# EAGLE board working (EAGLE 9.6.2), part 2 of 28
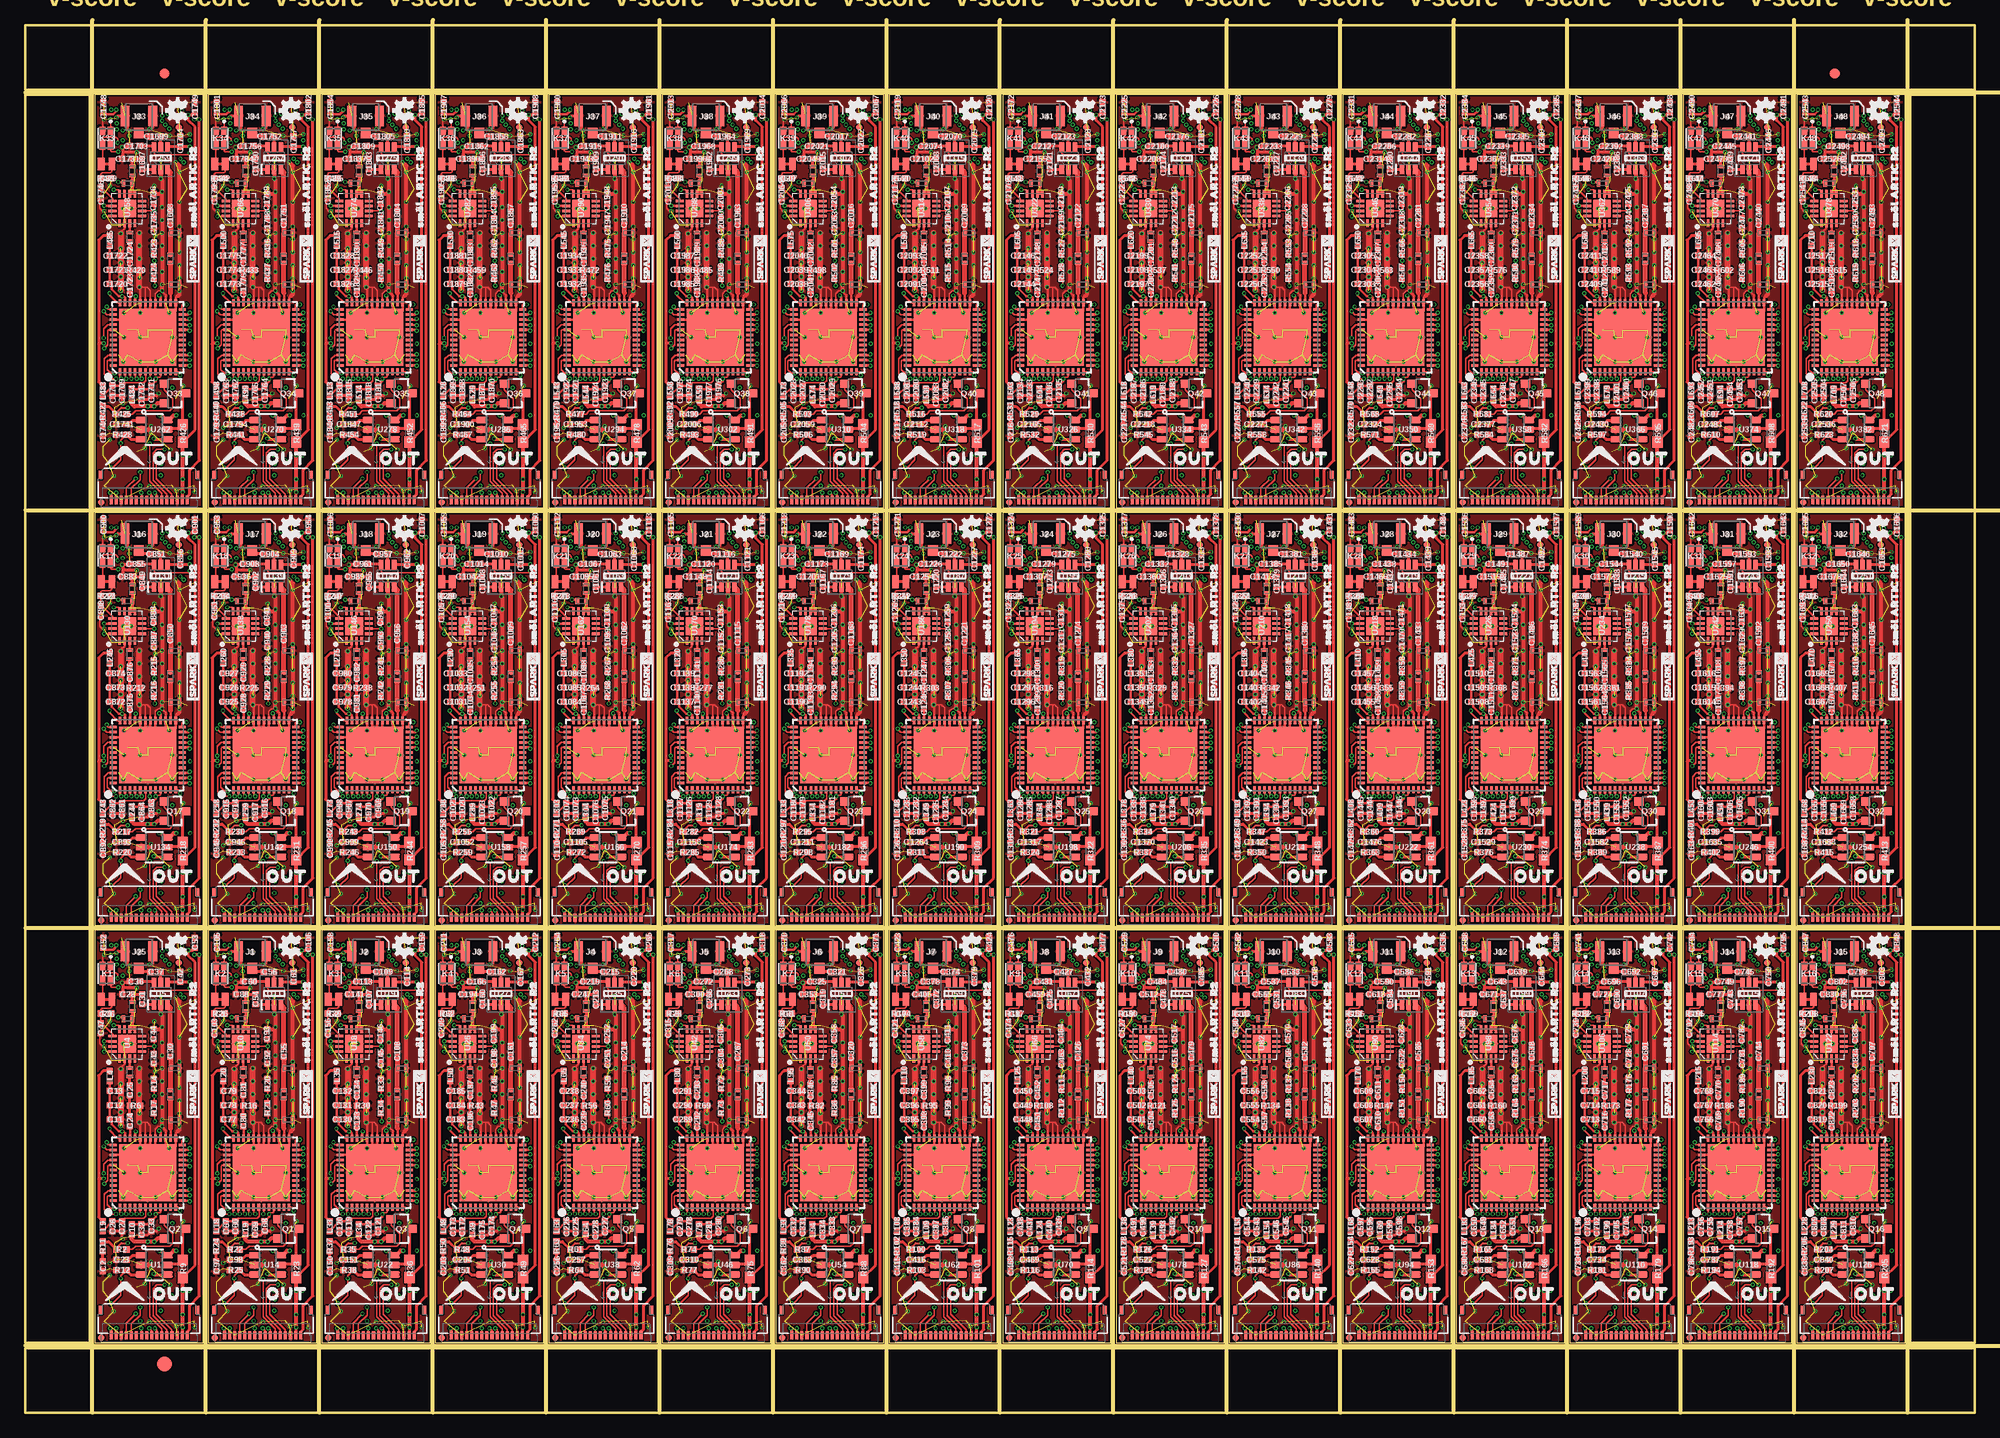
[diagram p0: board, top side]
## Placement (x,y rotation side) (continued)
C856  100pF  [0402-TIGHT]  15.24,84.07 90 top
C857  22pF  [0402-TIGHT]  15.94,69.15 90 bottom
C858  0.1uF  [0402-TIGHT]  14.22,69.53 90 bottom
C859  22pF  [0402-TIGHT]  13.59,65.98 270 bottom
C860  0.1uF  [0402-TIGHT]  14.54,65.98 270 bottom
C861  22pF  [0402-TIGHT]  9.52,59.5 270 top
C862  0.1uF  [0402-TIGHT]  8.57,59.5 270 top
C863  22pF  [0402-TIGHT]  12.38,59.5 270 top
C864  0.1uF  [0402-TIGHT]  11.43,59.18 270 top
C865  22pF  [0402-TIGHT]  10.41,68.01 180 bottom
C866  0.1uF  [0402-TIGHT]  8.32,68.45 0 bottom
C867  22pF  [0402-TIGHT]  9.14,63.56 270 bottom
C868  0.1uF  [0402-TIGHT]  10.1,63.56 270 bottom
C869  1.0uF  [0402-TIGHT]  12.06,65.98 270 bottom
C870  47nF  [0402-TIGHT]  11.11,65.98 270 bottom
C871  1.0nF  [0402-TIGHT]  7.68,66.13 90 bottom
C872  100pF  [0402-TIGHT]  8.83,70.04 0 top
C873  1.0uF  [0402-TIGHT]  8.83,71.44 0 top
C874  10uF  [0402-TIGHT]  8.83,72.83 0 top
C875  100pF  [0402-TIGHT]  10.29,69.85 90 top
C876  100pF  [0402-TIGHT]  10.29,72.9 90 top
C877  100pF  [0402-TIGHT]  8.25,81.15 180 bottom
C878  100pF  [0402-TIGHT]  8.57,76.33 90 bottom
C879  2.2uF  [0402-TIGHT]  9.52,76.33 90 bottom
C880  22pF  [0402-TIGHT]  10.35,78.74 90 bottom
C881  2.2uF  [0402-TIGHT]  11.3,78.74 90 bottom
C882  2.4 pF  [0402_MURATA]  14.29,72.52 90 top
C883  9.1pF  [0402-TIGHT]  10.03,82.36 0 top
C884  100pF  [0402-TIGHT]  10.29,80.2 180 bottom
C885  2.2uF  [0402-TIGHT]  10.29,81.15 180 bottom
C886  10uF  [0402-TIGHT]  10.29,82.11 180 bottom
C887  100pF  [0402-TIGHT]  12.64,76.01 90 top
C888  2.2uF  [0402-TIGHT]  12.64,78.42 90 top
C889  22pF  [0402-TIGHT]  14.99,63.56 270 bottom
C890  0.1uF  [0402-TIGHT]  14.03,63.56 270 bottom
C891  2.2uF  [0402-TIGHT]  16.13,50.16 180 bottom
C892  10nF  [0402-TIGHT]  7.62,55.56 270 top
C893  1.0uF  [0402-TIGHT]  9.46,56.2 180 top
C894  2.2uF  [0402-TIGHT]  8.19,53.09 0 bottom
C895  0.1uF  [0402-TIGHT]  9.91,55.75 90 bottom
C896  1.0uF  [0402-TIGHT]  16.89,81.34 90 bottom
C897  0.1uF  [0402-TIGHT]  15.24,58.74 0 bottom
C898  100pF  [0402-TIGHT]  7.43,78.99 90 top
C899  0.1uF  [0402-TIGHT]  10.48,53.53 180 bottom
C900  2.2uF  [0402-TIGHT]  7.68,87.44 90 top
C901  2.2uF  [0402-TIGHT]  16.7,87.44 90 top
C902  100pF  [0402-TIGHT]  22.67,81.85 90 top
C903  100pF  [0402-TIGHT]  25.46,76.71 270 top
C904  100pF  [0402-TIGHT]  24,84.58 0 top
C905  1.0uF  [0402-TIGHT]  19.43,57.85 180 bottom
C906  1.0uF  [0402-TIGHT]  19.37,54.04 0 bottom
C907  2.2uF  [0402-TIGHT]  19.43,50.16 0 bottom
C908  100pF  [0402-TIGHT]  21.97,83.63 180 top
C909  100pF  [0402-TIGHT]  26.42,84.07 90 top
C910  22pF  [0402-TIGHT]  27.11,69.15 90 bottom
C911  0.1uF  [0402-TIGHT]  25.4,69.53 90 bottom
C912  22pF  [0402-TIGHT]  24.77,65.98 270 bottom
C913  0.1uF  [0402-TIGHT]  25.72,65.98 270 bottom
C914  22pF  [0402-TIGHT]  20.7,59.5 270 top
C915  0.1uF  [0402-TIGHT]  19.75,59.5 270 top
C916  22pF  [0402-TIGHT]  23.56,59.5 270 top
C917  0.1uF  [0402-TIGHT]  22.61,59.18 270 top
C918  22pF  [0402-TIGHT]  21.59,68.01 180 bottom
C919  0.1uF  [0402-TIGHT]  19.49,68.45 0 bottom
C920  22pF  [0402-TIGHT]  20.32,63.56 270 bottom
C921  0.1uF  [0402-TIGHT]  21.27,63.56 270 bottom
C922  1.0uF  [0402-TIGHT]  23.24,65.98 270 bottom
C923  47nF  [0402-TIGHT]  22.29,65.98 270 bottom
C924  1.0nF  [0402-TIGHT]  18.86,66.13 90 bottom
C925  100pF  [0402-TIGHT]  20,70.04 0 top
C926  1.0uF  [0402-TIGHT]  20,71.44 0 top
C927  10uF  [0402-TIGHT]  20,72.83 0 top
C928  100pF  [0402-TIGHT]  21.46,69.85 90 top
C929  100pF  [0402-TIGHT]  21.46,72.9 90 top
C930  100pF  [0402-TIGHT]  19.43,81.15 180 bottom
C931  100pF  [0402-TIGHT]  19.75,76.33 90 bottom
C932  2.2uF  [0402-TIGHT]  20.7,76.33 90 bottom
C933  22pF  [0402-TIGHT]  21.53,78.74 90 bottom
C934  2.2uF  [0402-TIGHT]  22.48,78.74 90 bottom
C935  2.4 pF  [0402_MURATA]  25.46,72.52 90 top
C936  9.1pF  [0402-TIGHT]  21.21,82.36 0 top
C937  100pF  [0402-TIGHT]  21.46,80.2 180 bottom
C938  2.2uF  [0402-TIGHT]  21.46,81.15 180 bottom
C939  10uF  [0402-TIGHT]  21.46,82.11 180 bottom
C940  100pF  [0402-TIGHT]  23.81,76.01 90 top
C941  2.2uF  [0402-TIGHT]  23.81,78.42 90 top
C942  22pF  [0402-TIGHT]  26.16,63.56 270 bottom
C943  0.1uF  [0402-TIGHT]  25.21,63.56 270 bottom
C944  2.2uF  [0402-TIGHT]  27.3,50.16 180 bottom
C945  10nF  [0402-TIGHT]  18.8,55.56 270 top
C946  1.0uF  [0402-TIGHT]  20.64,56.2 180 top
C947  2.2uF  [0402-TIGHT]  19.37,53.09 0 bottom
C948  0.1uF  [0402-TIGHT]  21.08,55.75 90 bottom
C949  1.0uF  [0402-TIGHT]  28.07,81.34 90 bottom
C950  0.1uF  [0402-TIGHT]  26.42,58.74 0 bottom
C951  100pF  [0402-TIGHT]  18.61,78.99 90 top
C952  0.1uF  [0402-TIGHT]  21.65,53.53 180 bottom
C953  2.2uF  [0402-TIGHT]  18.86,87.44 90 top
C954  2.2uF  [0402-TIGHT]  27.88,87.44 90 top
C955  100pF  [0402-TIGHT]  33.85,81.85 90 top
C956  100pF  [0402-TIGHT]  36.64,76.71 270 top
C957  100pF  [0402-TIGHT]  35.18,84.58 0 top
C958  1.0uF  [0402-TIGHT]  30.61,57.85 180 bottom
C959  1.0uF  [0402-TIGHT]  30.54,54.04 0 bottom
C960  2.2uF  [0402-TIGHT]  30.61,50.16 0 bottom
C961  100pF  [0402-TIGHT]  33.15,83.63 180 top
C962  100pF  [0402-TIGHT]  37.59,84.07 90 top
C963  22pF  [0402-TIGHT]  38.29,69.15 90 bottom
C964  0.1uF  [0402-TIGHT]  36.58,69.53 90 bottom
C965  22pF  [0402-TIGHT]  35.94,65.98 270 bottom
C966  0.1uF  [0402-TIGHT]  36.89,65.98 270 bottom
C967  22pF  [0402-TIGHT]  31.88,59.5 270 top
C968  0.1uF  [0402-TIGHT]  30.92,59.5 270 top
C969  22pF  [0402-TIGHT]  34.73,59.5 270 top
C970  0.1uF  [0402-TIGHT]  33.78,59.18 270 top
C971  22pF  [0402-TIGHT]  32.77,68.01 180 bottom
C972  0.1uF  [0402-TIGHT]  30.67,68.45 0 bottom
C973  22pF  [0402-TIGHT]  31.5,63.56 270 bottom
C974  0.1uF  [0402-TIGHT]  32.45,63.56 270 bottom
C975  1.0uF  [0402-TIGHT]  34.42,65.98 270 bottom
C976  47nF  [0402-TIGHT]  33.46,65.98 270 bottom
C977  1.0nF  [0402-TIGHT]  30.04,66.13 90 bottom
C978  100pF  [0402-TIGHT]  31.18,70.04 0 top
C979  1.0uF  [0402-TIGHT]  31.18,71.44 0 top
C980  10uF  [0402-TIGHT]  31.18,72.83 0 top
C981  100pF  [0402-TIGHT]  32.64,69.85 90 top
C982  100pF  [0402-TIGHT]  32.64,72.9 90 top
C983  100pF  [0402-TIGHT]  30.61,81.15 180 bottom
C984  100pF  [0402-TIGHT]  30.92,76.33 90 bottom
C985  2.2uF  [0402-TIGHT]  31.88,76.33 90 bottom
C986  22pF  [0402-TIGHT]  32.7,78.74 90 bottom
C987  2.2uF  [0402-TIGHT]  33.66,78.74 90 bottom
C988  2.4 pF  [0402_MURATA]  36.64,72.52 90 top
C989  9.1pF  [0402-TIGHT]  32.38,82.36 0 top
C990  100pF  [0402-TIGHT]  32.64,80.2 180 bottom
C991  2.2uF  [0402-TIGHT]  32.64,81.15 180 bottom
C992  10uF  [0402-TIGHT]  32.64,82.11 180 bottom
C993  100pF  [0402-TIGHT]  34.99,76.01 90 top
C994  2.2uF  [0402-TIGHT]  34.99,78.42 90 top
C995  22pF  [0402-TIGHT]  37.34,63.56 270 bottom
C996  0.1uF  [0402-TIGHT]  36.39,63.56 270 bottom
C997  2.2uF  [0402-TIGHT]  38.48,50.16 180 bottom
C998  10nF  [0402-TIGHT]  29.97,55.56 270 top
C999  1.0uF  [0402-TIGHT]  31.81,56.2 180 top
C1000  2.2uF  [0402-TIGHT]  30.54,53.09 0 bottom
C1001  0.1uF  [0402-TIGHT]  32.26,55.75 90 bottom
C1002  1.0uF  [0402-TIGHT]  39.24,81.34 90 bottom
C1003  0.1uF  [0402-TIGHT]  37.59,58.74 0 bottom
C1004  100pF  [0402-TIGHT]  29.78,78.99 90 top
C1005  0.1uF  [0402-TIGHT]  32.83,53.53 180 bottom
C1006  2.2uF  [0402-TIGHT]  30.04,87.44 90 top
C1007  2.2uF  [0402-TIGHT]  39.05,87.44 90 top
C1008  100pF  [0402-TIGHT]  45.02,81.85 90 top
C1009  100pF  [0402-TIGHT]  47.82,76.71 270 top
C1010  100pF  [0402-TIGHT]  46.35,84.58 0 top
C1011  1.0uF  [0402-TIGHT]  41.78,57.85 180 bottom
C1012  1.0uF  [0402-TIGHT]  41.72,54.04 0 bottom
C1013  2.2uF  [0402-TIGHT]  41.78,50.16 0 bottom
C1014  100pF  [0402-TIGHT]  44.32,83.63 180 top
C1015  100pF  [0402-TIGHT]  48.77,84.07 90 top
C1016  22pF  [0402-TIGHT]  49.47,69.15 90 bottom
C1017  0.1uF  [0402-TIGHT]  47.75,69.53 90 bottom
C1018  22pF  [0402-TIGHT]  47.12,65.98 270 bottom
C1019  0.1uF  [0402-TIGHT]  48.07,65.98 270 bottom
C1020  22pF  [0402-TIGHT]  43.05,59.5 270 top
C1021  0.1uF  [0402-TIGHT]  42.1,59.5 270 top
C1022  22pF  [0402-TIGHT]  45.91,59.5 270 top
C1023  0.1uF  [0402-TIGHT]  44.96,59.18 270 top
C1024  22pF  [0402-TIGHT]  43.94,68.01 180 bottom
C1025  0.1uF  [0402-TIGHT]  41.85,68.45 0 bottom
C1026  22pF  [0402-TIGHT]  42.67,63.56 270 bottom
C1027  0.1uF  [0402-TIGHT]  43.62,63.56 270 bottom
C1028  1.0uF  [0402-TIGHT]  45.59,65.98 270 bottom
C1029  47nF  [0402-TIGHT]  44.64,65.98 270 bottom
C1030  1.0nF  [0402-TIGHT]  41.21,66.13 90 bottom
C1031  100pF  [0402-TIGHT]  42.35,70.04 0 top
C1032  1.0uF  [0402-TIGHT]  42.35,71.44 0 top
C1033  10uF  [0402-TIGHT]  42.35,72.83 0 top
C1034  100pF  [0402-TIGHT]  43.81,69.85 90 top
C1035  100pF  [0402-TIGHT]  43.81,72.9 90 top
C1036  100pF  [0402-TIGHT]  41.78,81.15 180 bottom
C1037  100pF  [0402-TIGHT]  42.1,76.33 90 bottom
C1038  2.2uF  [0402-TIGHT]  43.05,76.33 90 bottom
C1039  22pF  [0402-TIGHT]  43.88,78.74 90 bottom
C1040  2.2uF  [0402-TIGHT]  44.83,78.74 90 bottom
C1041  2.4 pF  [0402_MURATA]  47.82,72.52 90 top
C1042  9.1pF  [0402-TIGHT]  43.56,82.36 0 top
C1043  100pF  [0402-TIGHT]  43.81,80.2 180 bottom
C1044  2.2uF  [0402-TIGHT]  43.81,81.15 180 bottom
C1045  10uF  [0402-TIGHT]  43.81,82.11 180 bottom
C1046  100pF  [0402-TIGHT]  46.16,76.01 90 top
C1047  2.2uF  [0402-TIGHT]  46.16,78.42 90 top
C1048  22pF  [0402-TIGHT]  48.51,63.56 270 bottom
C1049  0.1uF  [0402-TIGHT]  47.56,63.56 270 bottom
C1050  2.2uF  [0402-TIGHT]  49.66,50.16 180 bottom
C1051  10nF  [0402-TIGHT]  41.15,55.56 270 top
C1052  1.0uF  [0402-TIGHT]  42.99,56.2 180 top
C1053  2.2uF  [0402-TIGHT]  41.72,53.09 0 bottom
C1054  0.1uF  [0402-TIGHT]  43.43,55.75 90 bottom
C1055  1.0uF  [0402-TIGHT]  50.42,81.34 90 bottom
C1056  0.1uF  [0402-TIGHT]  48.77,58.74 0 bottom
C1057  100pF  [0402-TIGHT]  40.96,78.99 90 top
C1058  0.1uF  [0402-TIGHT]  44.01,53.53 180 bottom
C1059  2.2uF  [0402-TIGHT]  41.21,87.44 90 top
C1060  2.2uF  [0402-TIGHT]  50.23,87.44 90 top
C1061  100pF  [0402-TIGHT]  56.2,81.85 90 top
C1062  100pF  [0402-TIGHT]  58.99,76.71 270 top
C1063  100pF  [0402-TIGHT]  57.53,84.58 0 top
C1064  1.0uF  [0402-TIGHT]  52.96,57.85 180 bottom
C1065  1.0uF  [0402-TIGHT]  52.9,54.04 0 bottom
C1066  2.2uF  [0402-TIGHT]  52.96,50.16 0 bottom
C1067  100pF  [0402-TIGHT]  55.5,83.63 180 top
C1068  100pF  [0402-TIGHT]  59.94,84.07 90 top
C1069  22pF  [0402-TIGHT]  60.64,69.15 90 bottom
C1070  0.1uF  [0402-TIGHT]  58.93,69.53 90 bottom
C1071  22pF  [0402-TIGHT]  58.29,65.98 270 bottom
C1072  0.1uF  [0402-TIGHT]  59.25,65.98 270 bottom
C1073  22pF  [0402-TIGHT]  54.23,59.5 270 top
C1074  0.1uF  [0402-TIGHT]  53.28,59.5 270 top
C1075  22pF  [0402-TIGHT]  57.09,59.5 270 top
C1076  0.1uF  [0402-TIGHT]  56.13,59.18 270 top
C1077  22pF  [0402-TIGHT]  55.12,68.01 180 bottom
C1078  0.1uF  [0402-TIGHT]  53.02,68.45 0 bottom
C1079  22pF  [0402-TIGHT]  53.85,63.56 270 bottom
C1080  0.1uF  [0402-TIGHT]  54.8,63.56 270 bottom
C1081  1.0uF  [0402-TIGHT]  56.77,65.98 270 bottom
C1082  47nF  [0402-TIGHT]  55.82,65.98 270 bottom
C1083  1.0nF  [0402-TIGHT]  52.39,66.13 90 bottom
C1084  100pF  [0402-TIGHT]  53.53,70.04 0 top
C1085  1.0uF  [0402-TIGHT]  53.53,71.44 0 top
C1086  10uF  [0402-TIGHT]  53.53,72.83 0 top
C1087  100pF  [0402-TIGHT]  54.99,69.85 90 top
C1088  100pF  [0402-TIGHT]  54.99,72.9 90 top
C1089  100pF  [0402-TIGHT]  52.96,81.15 180 bottom
C1090  100pF  [0402-TIGHT]  53.28,76.33 90 bottom
C1091  2.2uF  [0402-TIGHT]  54.23,76.33 90 bottom
C1092  22pF  [0402-TIGHT]  55.05,78.74 90 bottom
C1093  2.2uF  [0402-TIGHT]  56.01,78.74 90 bottom
C1094  2.4 pF  [0402_MURATA]  58.99,72.52 90 top
C1095  9.1pF  [0402-TIGHT]  54.74,82.36 0 top
C1096  100pF  [0402-TIGHT]  54.99,80.2 180 bottom
C1097  2.2uF  [0402-TIGHT]  54.99,81.15 180 bottom
C1098  10uF  [0402-TIGHT]  54.99,82.11 180 bottom
C1099  100pF  [0402-TIGHT]  57.34,76.01 90 top
C1100  2.2uF  [0402-TIGHT]  57.34,78.42 90 top
C1101  22pF  [0402-TIGHT]  59.69,63.56 270 bottom
C1102  0.1uF  [0402-TIGHT]  58.74,63.56 270 bottom
C1103  2.2uF  [0402-TIGHT]  60.83,50.16 180 bottom
C1104  10nF  [0402-TIGHT]  52.32,55.56 270 top
C1105  1.0uF  [0402-TIGHT]  54.17,56.2 180 top
C1106  2.2uF  [0402-TIGHT]  52.9,53.09 0 bottom
C1107  0.1uF  [0402-TIGHT]  54.61,55.75 90 bottom
C1108  1.0uF  [0402-TIGHT]  61.59,81.34 90 bottom
C1109  0.1uF  [0402-TIGHT]  59.94,58.74 0 bottom
C1110  100pF  [0402-TIGHT]  52.13,78.99 90 top
C1111  0.1uF  [0402-TIGHT]  55.18,53.53 180 bottom
C1112  2.2uF  [0402-TIGHT]  52.39,87.44 90 top
C1113  2.2uF  [0402-TIGHT]  61.4,87.44 90 top
C1114  100pF  [0402-TIGHT]  67.37,81.85 90 top
C1115  100pF  [0402-TIGHT]  70.17,76.71 270 top
C1116  100pF  [0402-TIGHT]  68.71,84.58 0 top
C1117  1.0uF  [0402-TIGHT]  64.14,57.85 180 bottom
C1118  1.0uF  [0402-TIGHT]  64.07,54.04 0 bottom
C1119  2.2uF  [0402-TIGHT]  64.14,50.16 0 bottom
C1120  100pF  [0402-TIGHT]  66.67,83.63 180 top
C1121  100pF  [0402-TIGHT]  71.12,84.07 90 top
C1122  22pF  [0402-TIGHT]  71.82,69.15 90 bottom
C1123  0.1uF  [0402-TIGHT]  70.1,69.53 90 bottom
C1124  22pF  [0402-TIGHT]  69.47,65.98 270 bottom
C1125  0.1uF  [0402-TIGHT]  70.42,65.98 270 bottom
C1126  22pF  [0402-TIGHT]  65.41,59.5 270 top
C1127  0.1uF  [0402-TIGHT]  64.45,59.5 270 top
C1128  22pF  [0402-TIGHT]  68.26,59.5 270 top
C1129  0.1uF  [0402-TIGHT]  67.31,59.18 270 top
C1130  22pF  [0402-TIGHT]  66.29,68.01 180 bottom
C1131  0.1uF  [0402-TIGHT]  64.2,68.45 0 bottom
C1132  22pF  [0402-TIGHT]  65.02,63.56 270 bottom
C1133  0.1uF  [0402-TIGHT]  65.98,63.56 270 bottom
C1134  1.0uF  [0402-TIGHT]  67.95,65.98 270 bottom
C1135  47nF  [0402-TIGHT]  66.99,65.98 270 bottom
C1136  1.0nF  [0402-TIGHT]  63.56,66.13 90 bottom
C1137  100pF  [0402-TIGHT]  64.71,70.04 0 top
C1138  1.0uF  [0402-TIGHT]  64.71,71.44 0 top
C1139  10uF  [0402-TIGHT]  64.71,72.83 0 top
C1140  100pF  [0402-TIGHT]  66.17,69.85 90 top
C1141  100pF  [0402-TIGHT]  66.17,72.9 90 top
C1142  100pF  [0402-TIGHT]  64.14,81.15 180 bottom
C1143  100pF  [0402-TIGHT]  64.45,76.33 90 bottom
C1144  2.2uF  [0402-TIGHT]  65.41,76.33 90 bottom
C1145  22pF  [0402-TIGHT]  66.23,78.74 90 bottom
C1146  2.2uF  [0402-TIGHT]  67.18,78.74 90 bottom
C1147  2.4 pF  [0402_MURATA]  70.17,72.52 90 top
C1148  9.1pF  [0402-TIGHT]  65.91,82.36 0 top
C1149  100pF  [0402-TIGHT]  66.17,80.2 180 bottom
C1150  2.2uF  [0402-TIGHT]  66.17,81.15 180 bottom
C1151  10uF  [0402-TIGHT]  66.17,82.11 180 bottom
C1152  100pF  [0402-TIGHT]  68.52,76.01 90 top
C1153  2.2uF  [0402-TIGHT]  68.52,78.42 90 top
C1154  22pF  [0402-TIGHT]  70.87,63.56 270 bottom
C1155  0.1uF  [0402-TIGHT]  69.91,63.56 270 bottom
C1156  2.2uF  [0402-TIGHT]  72.01,50.16 180 bottom
C1157  10nF  [0402-TIGHT]  63.5,55.56 270 top
C1158  1.0uF  [0402-TIGHT]  65.34,56.2 180 top
C1159  2.2uF  [0402-TIGHT]  64.07,53.09 0 bottom
C1160  0.1uF  [0402-TIGHT]  65.79,55.75 90 bottom
C1161  1.0uF  [0402-TIGHT]  72.77,81.34 90 bottom
C1162  0.1uF  [0402-TIGHT]  71.12,58.74 0 bottom
C1163  100pF  [0402-TIGHT]  63.31,78.99 90 top
C1164  0.1uF  [0402-TIGHT]  66.36,53.53 180 bottom
C1165  2.2uF  [0402-TIGHT]  63.56,87.44 90 top
C1166  2.2uF  [0402-TIGHT]  72.58,87.44 90 top
C1167  100pF  [0402-TIGHT]  78.55,81.85 90 top
C1168  100pF  [0402-TIGHT]  81.34,76.71 270 top
C1169  100pF  [0402-TIGHT]  79.88,84.58 0 top
C1170  1.0uF  [0402-TIGHT]  75.31,57.85 180 bottom
C1171  1.0uF  [0402-TIGHT]  75.25,54.04 0 bottom
C1172  2.2uF  [0402-TIGHT]  75.31,50.16 0 bottom
C1173  100pF  [0402-TIGHT]  77.85,83.63 180 top
C1174  100pF  [0402-TIGHT]  82.3,84.07 90 top
C1175  22pF  [0402-TIGHT]  82.99,69.15 90 bottom
C1176  0.1uF  [0402-TIGHT]  81.28,69.53 90 bottom
C1177  22pF  [0402-TIGHT]  80.65,65.98 270 bottom
C1178  0.1uF  [0402-TIGHT]  81.6,65.98 270 bottom
C1179  22pF  [0402-TIGHT]  76.58,59.5 270 top
C1180  0.1uF  [0402-TIGHT]  75.63,59.5 270 top
C1181  22pF  [0402-TIGHT]  79.44,59.5 270 top
C1182  0.1uF  [0402-TIGHT]  78.49,59.18 270 top
C1183  22pF  [0402-TIGHT]  77.47,68.01 180 bottom
C1184  0.1uF  [0402-TIGHT]  75.37,68.45 0 bottom
C1185  22pF  [0402-TIGHT]  76.2,63.56 270 bottom
C1186  0.1uF  [0402-TIGHT]  77.15,63.56 270 bottom
C1187  1.0uF  [0402-TIGHT]  79.12,65.98 270 bottom
C1188  47nF  [0402-TIGHT]  78.17,65.98 270 bottom
C1189  1.0nF  [0402-TIGHT]  74.74,66.13 90 bottom
C1190  100pF  [0402-TIGHT]  75.88,70.04 0 top
C1191  1.0uF  [0402-TIGHT]  75.88,71.44 0 top
C1192  10uF  [0402-TIGHT]  75.88,72.83 0 top
C1193  100pF  [0402-TIGHT]  77.34,69.85 90 top
C1194  100pF  [0402-TIGHT]  77.34,72.9 90 top
C1195  100pF  [0402-TIGHT]  75.31,81.15 180 bottom
C1196  100pF  [0402-TIGHT]  75.63,76.33 90 bottom
C1197  2.2uF  [0402-TIGHT]  76.58,76.33 90 bottom
C1198  22pF  [0402-TIGHT]  77.41,78.74 90 bottom
C1199  2.2uF  [0402-TIGHT]  78.36,78.74 90 bottom
C1200  2.4 pF  [0402_MURATA]  81.34,72.52 90 top
C1201  9.1pF  [0402-TIGHT]  77.09,82.36 0 top
C1202  100pF  [0402-TIGHT]  77.34,80.2 180 bottom
C1203  2.2uF  [0402-TIGHT]  77.34,81.15 180 bottom
C1204  10uF  [0402-TIGHT]  77.34,82.11 180 bottom
C1205  100pF  [0402-TIGHT]  79.69,76.01 90 top
C1206  2.2uF  [0402-TIGHT]  79.69,78.42 90 top
C1207  22pF  [0402-TIGHT]  82.04,63.56 270 bottom
C1208  0.1uF  [0402-TIGHT]  81.09,63.56 270 bottom
C1209  2.2uF  [0402-TIGHT]  83.19,50.16 180 bottom
C1210  10nF  [0402-TIGHT]  74.68,55.56 270 top
C1211  1.0uF  [0402-TIGHT]  76.52,56.2 180 top
C1212  2.2uF  [0402-TIGHT]  75.25,53.09 0 bottom
C1213  0.1uF  [0402-TIGHT]  76.96,55.75 90 bottom
C1214  1.0uF  [0402-TIGHT]  83.95,81.34 90 bottom
C1215  0.1uF  [0402-TIGHT]  82.3,58.74 0 bottom
C1216  100pF  [0402-TIGHT]  74.49,78.99 90 top
C1217  0.1uF  [0402-TIGHT]  77.53,53.53 180 bottom
C1218  2.2uF  [0402-TIGHT]  74.74,87.44 90 top
C1219  2.2uF  [0402-TIGHT]  83.76,87.44 90 top
C1220  100pF  [0402-TIGHT]  89.73,81.85 90 top
C1221  100pF  [0402-TIGHT]  92.52,76.71 270 top
C1222  100pF  [0402-TIGHT]  91.06,84.58 0 top
C1223  1.0uF  [0402-TIGHT]  86.49,57.85 180 bottom
C1224  1.0uF  [0402-TIGHT]  86.42,54.04 0 bottom
C1225  2.2uF  [0402-TIGHT]  86.49,50.16 0 bottom
C1226  100pF  [0402-TIGHT]  89.03,83.63 180 top
C1227  100pF  [0402-TIGHT]  93.47,84.07 90 top
C1228  22pF  [0402-TIGHT]  94.17,69.15 90 bottom
C1229  0.1uF  [0402-TIGHT]  92.46,69.53 90 bottom
C1230  22pF  [0402-TIGHT]  91.82,65.98 270 bottom
C1231  0.1uF  [0402-TIGHT]  92.77,65.98 270 bottom
C1232  22pF  [0402-TIGHT]  87.76,59.5 270 top
C1233  0.1uF  [0402-TIGHT]  86.8,59.5 270 top
C1234  22pF  [0402-TIGHT]  90.61,59.5 270 top
C1235  0.1uF  [0402-TIGHT]  89.66,59.18 270 top
C1236  22pF  [0402-TIGHT]  88.65,68.01 180 bottom
C1237  0.1uF  [0402-TIGHT]  86.55,68.45 0 bottom
C1238  22pF  [0402-TIGHT]  87.38,63.56 270 bottom
C1239  0.1uF  [0402-TIGHT]  88.33,63.56 270 bottom
C1240  1.0uF  [0402-TIGHT]  90.3,65.98 270 bottom
C1241  47nF  [0402-TIGHT]  89.34,65.98 270 bottom
C1242  1.0nF  [0402-TIGHT]  85.92,66.13 90 bottom
C1243  100pF  [0402-TIGHT]  87.06,70.04 0 top
C1244  1.0uF  [0402-TIGHT]  87.06,71.44 0 top
C1245  10uF  [0402-TIGHT]  87.06,72.83 0 top
C1246  100pF  [0402-TIGHT]  88.52,69.85 90 top
C1247  100pF  [0402-TIGHT]  88.52,72.9 90 top
C1248  100pF  [0402-TIGHT]  86.49,81.15 180 bottom
C1249  100pF  [0402-TIGHT]  86.8,76.33 90 bottom
C1250  2.2uF  [0402-TIGHT]  87.76,76.33 90 bottom
C1251  22pF  [0402-TIGHT]  88.58,78.74 90 bottom
C1252  2.2uF  [0402-TIGHT]  89.54,78.74 90 bottom
C1253  2.4 pF  [0402_MURATA]  92.52,72.52 90 top
C1254  9.1pF  [0402-TIGHT]  88.27,82.36 0 top
C1255  100pF  [0402-TIGHT]  88.52,80.2 180 bottom
C1256  2.2uF  [0402-TIGHT]  88.52,81.15 180 bottom
C1257  10uF  [0402-TIGHT]  88.52,82.11 180 bottom
C1258  100pF  [0402-TIGHT]  90.87,76.01 90 top
C1259  2.2uF  [0402-TIGHT]  90.87,78.42 90 top
C1260  22pF  [0402-TIGHT]  93.22,63.56 270 bottom
C1261  0.1uF  [0402-TIGHT]  92.27,63.56 270 bottom
C1262  2.2uF  [0402-TIGHT]  94.36,50.16 180 bottom
C1263  10nF  [0402-TIGHT]  85.85,55.56 270 top
C1264  1.0uF  [0402-TIGHT]  87.69,56.2 180 top
C1265  2.2uF  [0402-TIGHT]  86.42,53.09 0 bottom
C1266  0.1uF  [0402-TIGHT]  88.14,55.75 90 bottom
C1267  1.0uF  [0402-TIGHT]  95.12,81.34 90 bottom
C1268  0.1uF  [0402-TIGHT]  93.47,58.74 0 bottom
C1269  100pF  [0402-TIGHT]  85.66,78.99 90 top
C1270  0.1uF  [0402-TIGHT]  88.71,53.53 180 bottom
C1271  2.2uF  [0402-TIGHT]  85.92,87.44 90 top
C1272  2.2uF  [0402-TIGHT]  94.93,87.44 90 top
C1273  100pF  [0402-TIGHT]  100.9,81.85 90 top
C1274  100pF  [0402-TIGHT]  103.7,76.71 270 top
C1275  100pF  [0402-TIGHT]  102.23,84.58 0 top
C1276  1.0uF  [0402-TIGHT]  97.66,57.85 180 bottom
C1277  1.0uF  [0402-TIGHT]  97.6,54.04 0 bottom
C1278  2.2uF  [0402-TIGHT]  97.66,50.16 0 bottom
C1279  100pF  [0402-TIGHT]  100.2,83.63 180 top
C1280  100pF  [0402-TIGHT]  104.65,84.07 90 top
C1281  22pF  [0402-TIGHT]  105.35,69.15 90 bottom
C1282  0.1uF  [0402-TIGHT]  103.63,69.53 90 bottom
C1283  22pF  [0402-TIGHT]  103,65.98 270 bottom
C1284  0.1uF  [0402-TIGHT]  103.95,65.98 270 bottom
C1285  22pF  [0402-TIGHT]  98.93,59.5 270 top
C1286  0.1uF  [0402-TIGHT]  97.98,59.5 270 top
C1287  22pF  [0402-TIGHT]  101.79,59.5 270 top
C1288  0.1uF  [0402-TIGHT]  100.84,59.18 270 top
C1289  22pF  [0402-TIGHT]  99.82,68.01 180 bottom
C1290  0.1uF  [0402-TIGHT]  97.73,68.45 0 bottom
C1291  22pF  [0402-TIGHT]  98.55,63.56 270 bottom
C1292  0.1uF  [0402-TIGHT]  99.5,63.56 270 bottom
C1293  1.0uF  [0402-TIGHT]  101.47,65.98 270 bottom
C1294  47nF  [0402-TIGHT]  100.52,65.98 270 bottom
C1295  1.0nF  [0402-TIGHT]  97.09,66.13 90 bottom
C1296  100pF  [0402-TIGHT]  98.23,70.04 0 top
C1297  1.0uF  [0402-TIGHT]  98.23,71.44 0 top
C1298  10uF  [0402-TIGHT]  98.23,72.83 0 top
C1299  100pF  [0402-TIGHT]  99.7,69.85 90 top
C1300  100pF  [0402-TIGHT]  99.7,72.9 90 top
C1301  100pF  [0402-TIGHT]  97.66,81.15 180 bottom
C1302  100pF  [0402-TIGHT]  97.98,76.33 90 bottom
C1303  2.2uF  [0402-TIGHT]  98.93,76.33 90 bottom
C1304  22pF  [0402-TIGHT]  99.76,78.74 90 bottom
C1305  2.2uF  [0402-TIGHT]  100.71,78.74 90 bottom
C1306  2.4 pF  [0402_MURATA]  103.7,72.52 90 top
C1307  9.1pF  [0402-TIGHT]  99.44,82.36 0 top
C1308  100pF  [0402-TIGHT]  99.7,80.2 180 bottom
C1309  2.2uF  [0402-TIGHT]  99.7,81.15 180 bottom
C1310  10uF  [0402-TIGHT]  99.7,82.11 180 bottom
C1311  100pF  [0402-TIGHT]  102.04,76.01 90 top
C1312  2.2uF  [0402-TIGHT]  102.04,78.42 90 top
C1313  22pF  [0402-TIGHT]  104.39,63.56 270 bottom
C1314  0.1uF  [0402-TIGHT]  103.44,63.56 270 bottom
C1315  2.2uF  [0402-TIGHT]  105.54,50.16 180 bottom
C1316  10nF  [0402-TIGHT]  97.03,55.56 270 top
C1317  1.0uF  [0402-TIGHT]  98.87,56.2 180 top
C1318  2.2uF  [0402-TIGHT]  97.6,53.09 0 bottom
C1319  0.1uF  [0402-TIGHT]  99.31,55.75 90 bottom
C1320  1.0uF  [0402-TIGHT]  106.3,81.34 90 bottom
C1321  0.1uF  [0402-TIGHT]  104.65,58.74 0 bottom
C1322  100pF  [0402-TIGHT]  96.84,78.99 90 top
C1323  0.1uF  [0402-TIGHT]  99.89,53.53 180 bottom
C1324  2.2uF  [0402-TIGHT]  97.09,87.44 90 top
C1325  2.2uF  [0402-TIGHT]  106.11,87.44 90 top
C1326  100pF  [0402-TIGHT]  112.08,81.85 90 top
C1327  100pF  [0402-TIGHT]  114.87,76.71 270 top
C1328  100pF  [0402-TIGHT]  113.41,84.58 0 top
C1329  1.0uF  [0402-TIGHT]  108.84,57.85 180 bottom
C1330  1.0uF  [0402-TIGHT]  108.78,54.04 0 bottom
C1331  2.2uF  [0402-TIGHT]  108.84,50.16 0 bottom
C1332  100pF  [0402-TIGHT]  111.38,83.63 180 top
C1333  100pF  [0402-TIGHT]  115.82,84.07 90 top
C1334  22pF  [0402-TIGHT]  116.52,69.15 90 bottom
C1335  0.1uF  [0402-TIGHT]  114.81,69.53 90 bottom
C1336  22pF  [0402-TIGHT]  114.17,65.98 270 bottom
C1337  0.1uF  [0402-TIGHT]  115.13,65.98 270 bottom
C1338  22pF  [0402-TIGHT]  110.11,59.5 270 top
C1339  0.1uF  [0402-TIGHT]  109.16,59.5 270 top
C1340  22pF  [0402-TIGHT]  112.97,59.5 270 top
C1341  0.1uF  [0402-TIGHT]  112.01,59.18 270 top
C1342  22pF  [0402-TIGHT]  111,68.01 180 bottom
C1343  0.1uF  [0402-TIGHT]  108.9,68.45 0 bottom
C1344  22pF  [0402-TIGHT]  109.73,63.56 270 bottom
C1345  0.1uF  [0402-TIGHT]  110.68,63.56 270 bottom
C1346  1.0uF  [0402-TIGHT]  112.65,65.98 270 bottom
C1347  47nF  [0402-TIGHT]  111.7,65.98 270 bottom
C1348  1.0nF  [0402-TIGHT]  108.27,66.13 90 bottom
C1349  100pF  [0402-TIGHT]  109.41,70.04 0 top
C1350  1.0uF  [0402-TIGHT]  109.41,71.44 0 top
C1351  10uF  [0402-TIGHT]  109.41,72.83 0 top
C1352  100pF  [0402-TIGHT]  110.87,69.85 90 top
C1353  100pF  [0402-TIGHT]  110.87,72.9 90 top
C1354  100pF  [0402-TIGHT]  108.84,81.15 180 bottom
C1355  100pF  [0402-TIGHT]  109.16,76.33 90 bottom
C1356  2.2uF  [0402-TIGHT]  110.11,76.33 90 bottom
C1357  22pF  [0402-TIGHT]  110.93,78.74 90 bottom
C1358  2.2uF  [0402-TIGHT]  111.89,78.74 90 bottom
C1359  2.4 pF  [0402_MURATA]  114.87,72.52 90 top
C1360  9.1pF  [0402-TIGHT]  110.62,82.36 0 top
C1361  100pF  [0402-TIGHT]  110.87,80.2 180 bottom
C1362  2.2uF  [0402-TIGHT]  110.87,81.15 180 bottom
C1363  10uF  [0402-TIGHT]  110.87,82.11 180 bottom
C1364  100pF  [0402-TIGHT]  113.22,76.01 90 top
C1365  2.2uF  [0402-TIGHT]  113.22,78.42 90 top
C1366  22pF  [0402-TIGHT]  115.57,63.56 270 bottom
C1367  0.1uF  [0402-TIGHT]  114.62,63.56 270 bottom
C1368  2.2uF  [0402-TIGHT]  116.71,50.16 180 bottom